# Altium PCB PCB_ALMA_TESLA.PcbDoc (part 1 of 3)
Units mm, origin at the board's own origin, x right, y up, seen from the top; angles counter-clockwise.
Board outline 100 x 100 mm, 10 copper layers (Top Layer - Signal General / Componentes SoC, GND1 - Plano Tierra Principal, Inner SIG1 - Control / I2C / UART / GPIO / SAI2, PWR1 - Alimentacion Principal (3.3V / 1.8V / VDD_ARM), Inner SIG2 - LPDDR4 / eMMC (Bus Critico), Inner SIG3 - MIPI DSI / USB / Diferenciales, PWR2 - Alimentacion Auxiliar (1.0V / VDDQ / VBUS), Inner SIG4 - Audio SAI2 / BT UART / Clocks / Low-Noise, GND2 - Plano Tierra Retorno, Bottom Layer - Signal Perifericos / GPIO / Conectores), stack 1.564 mm thick; 82 components, 94 nets, 1091 pads, 206 vias.
Unrouted connection lines stored in the file: 13.
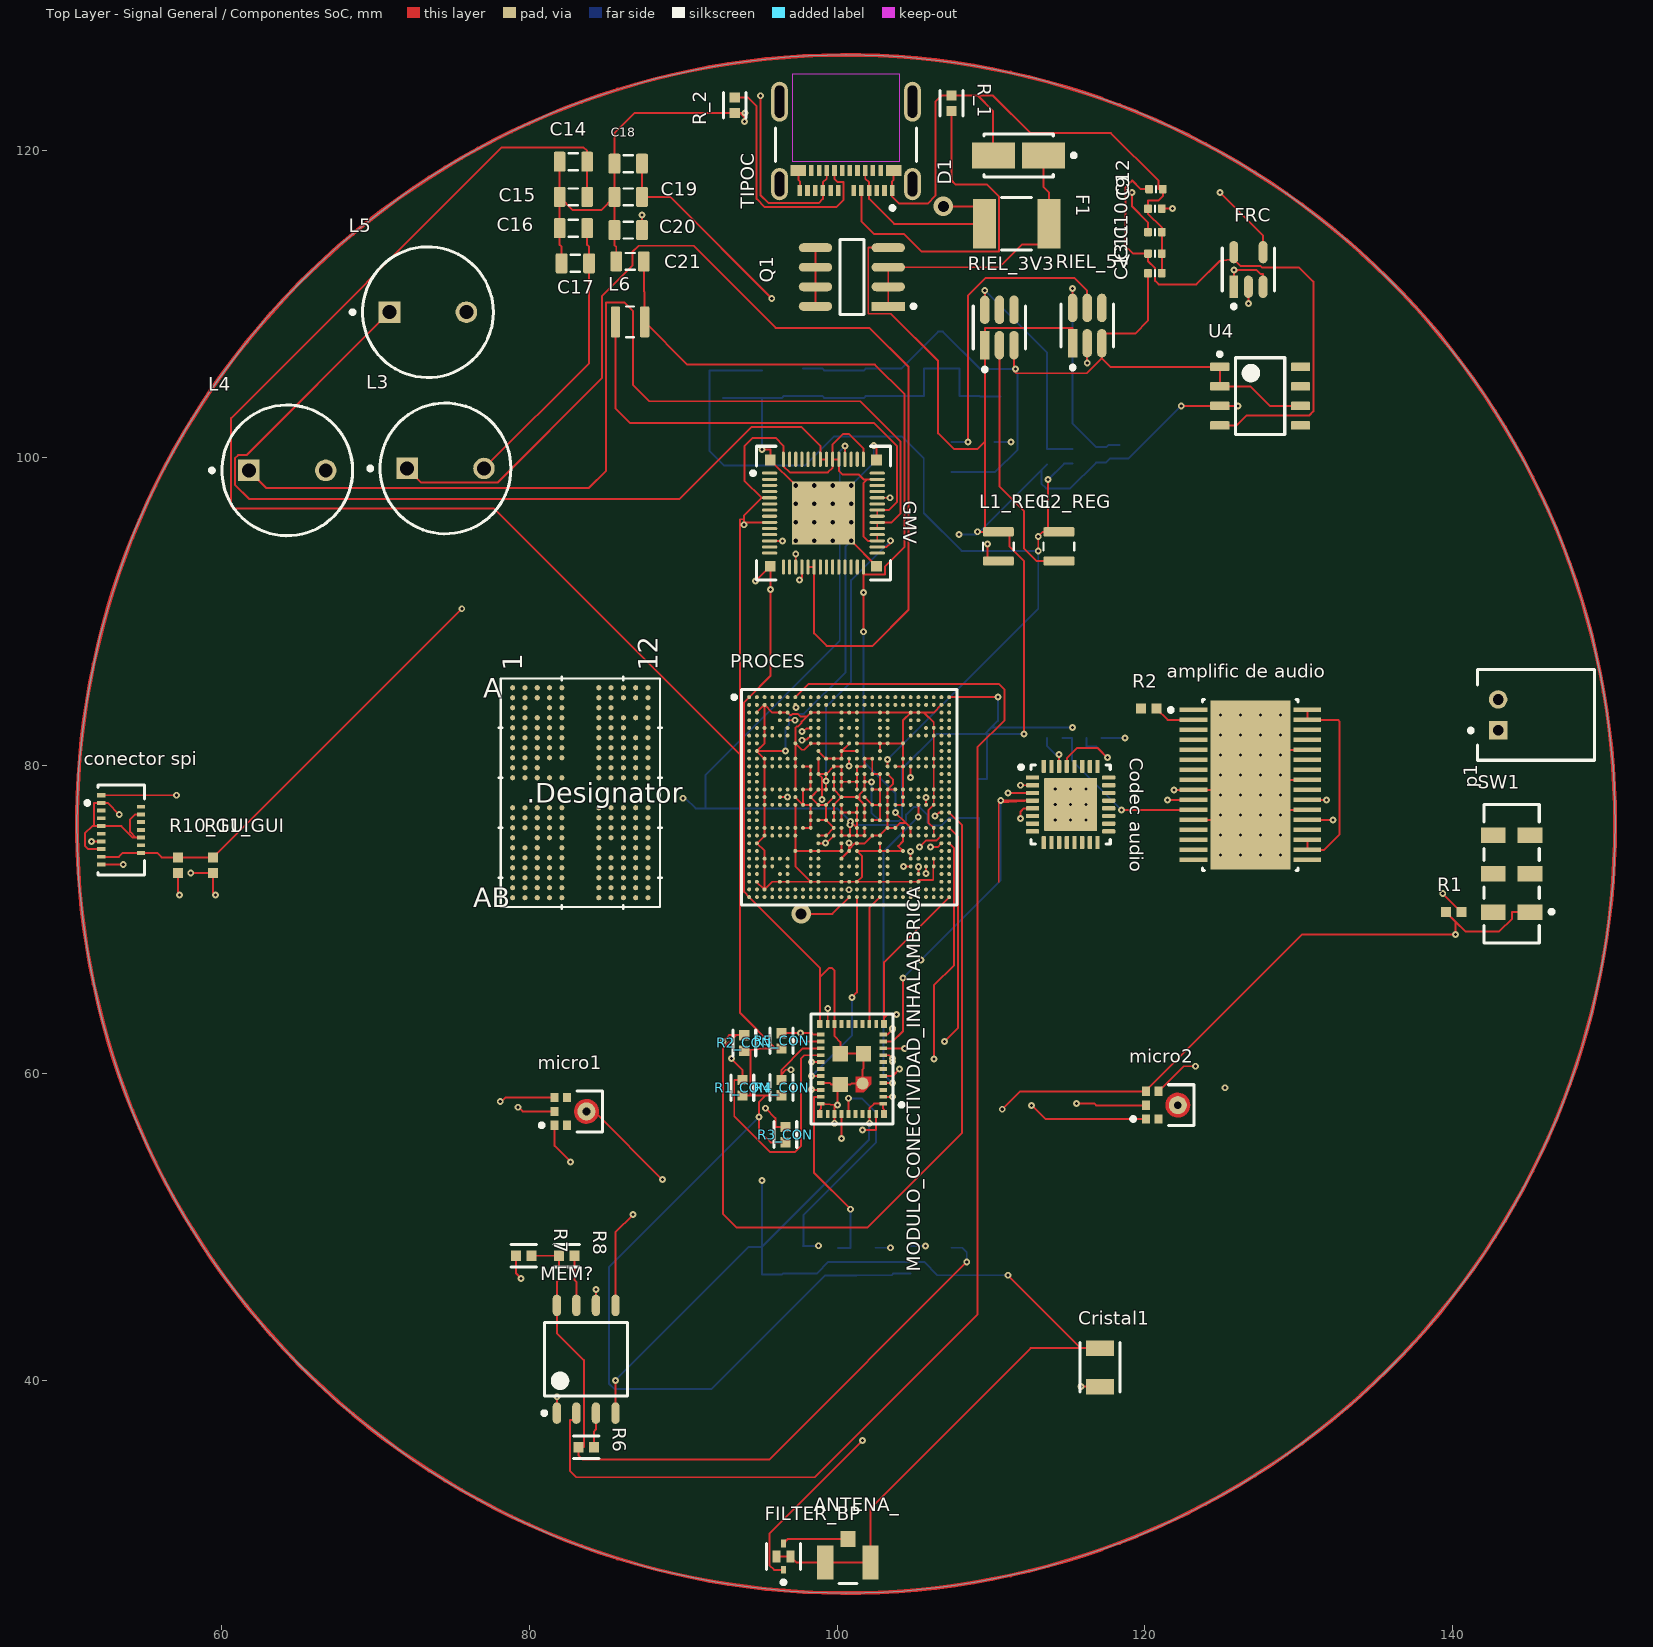
[diagram p0: Top Layer - Signal General / Componentes SoC view]
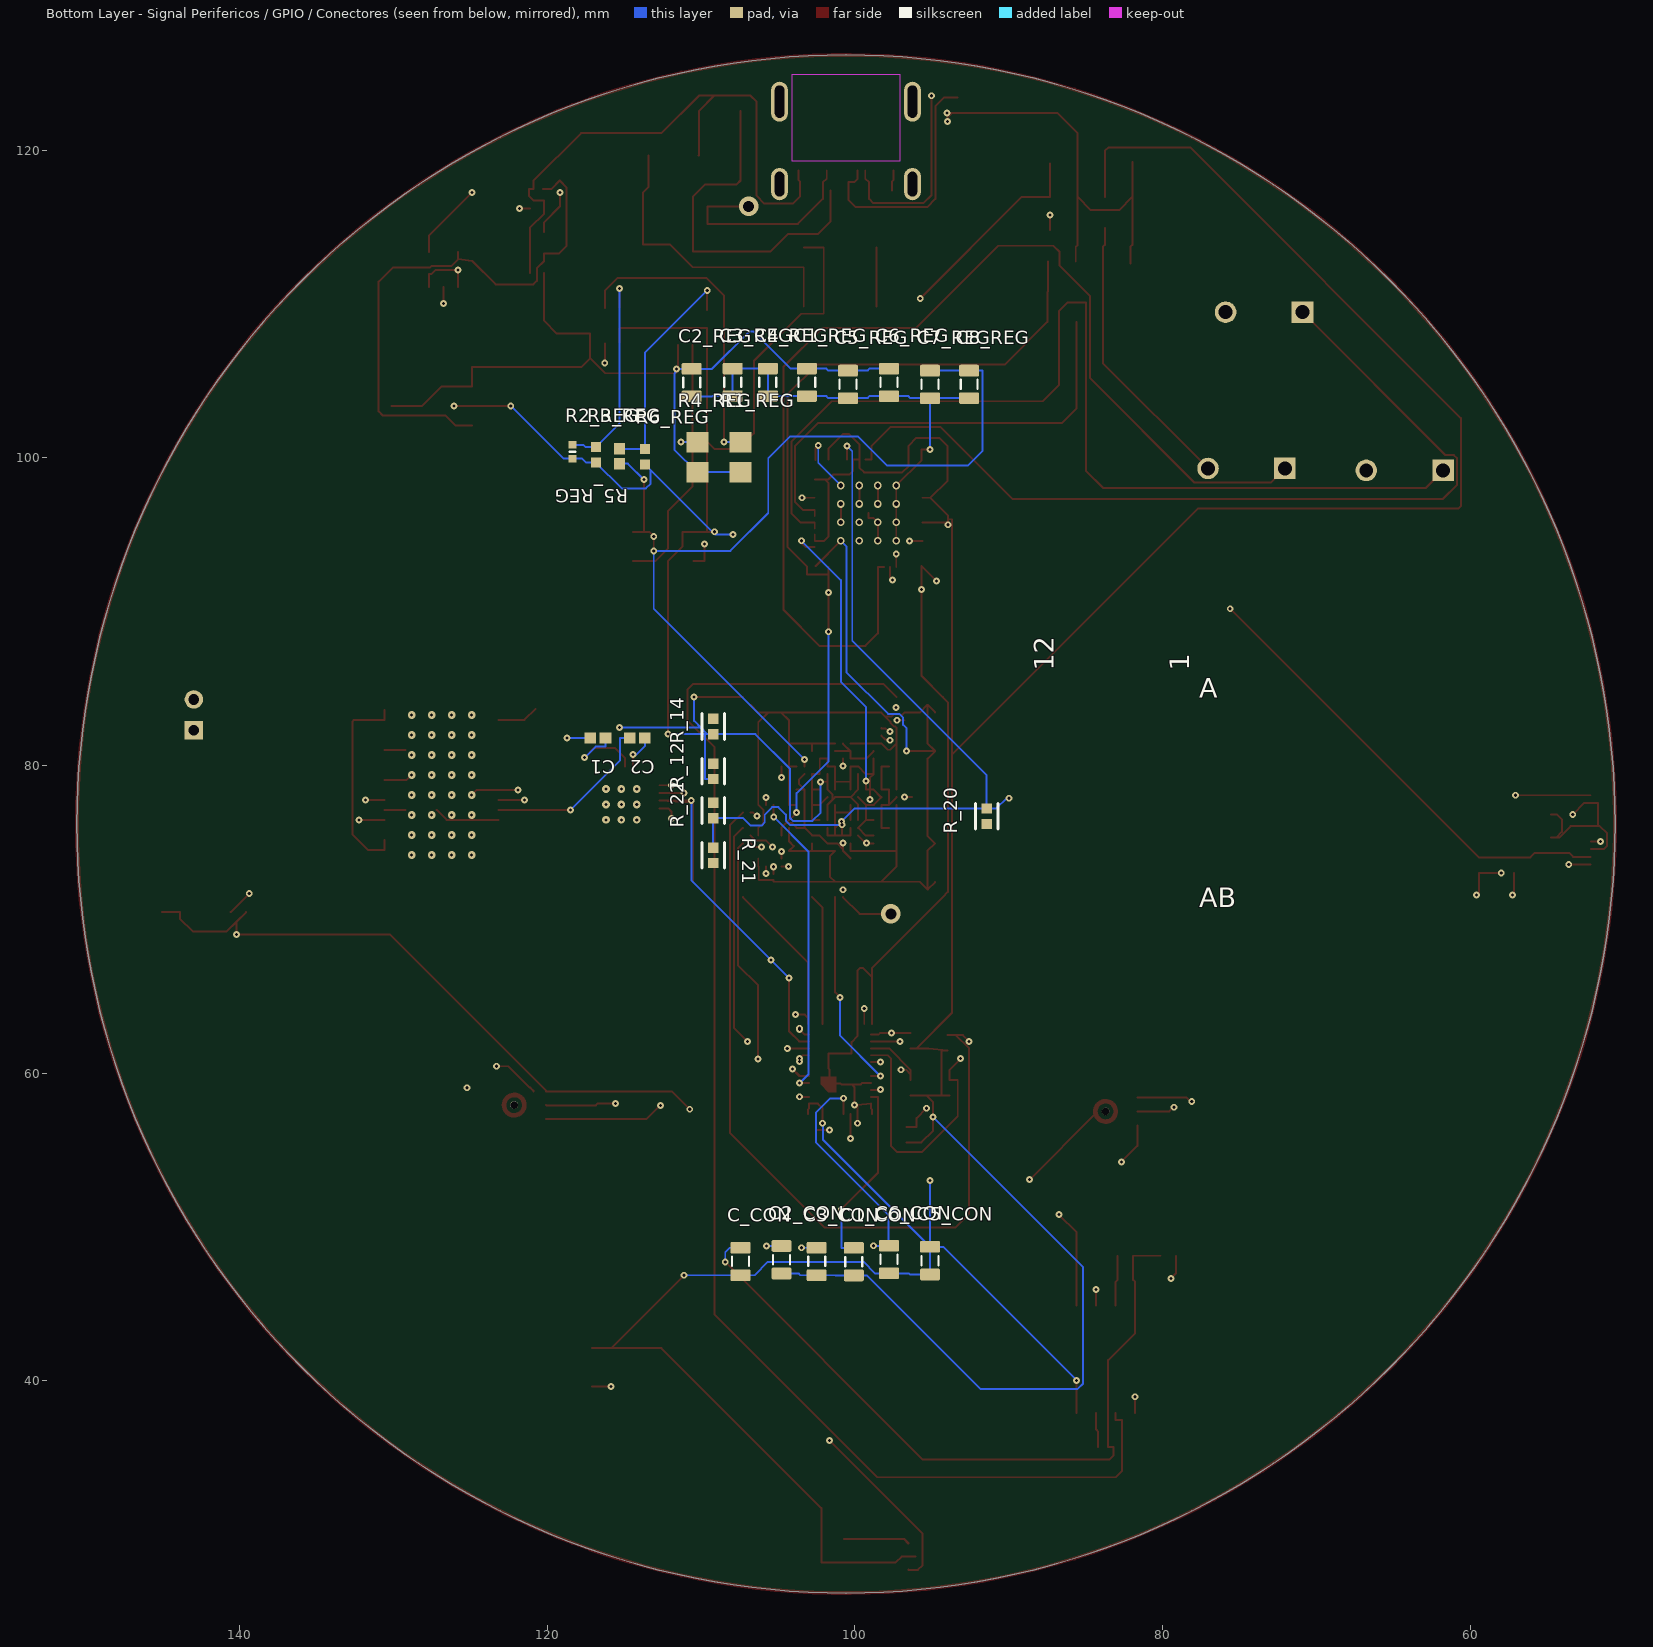
[diagram p1: Bottom Layer - Signal Perifericos / GPIO / Conectores view, seen from below]
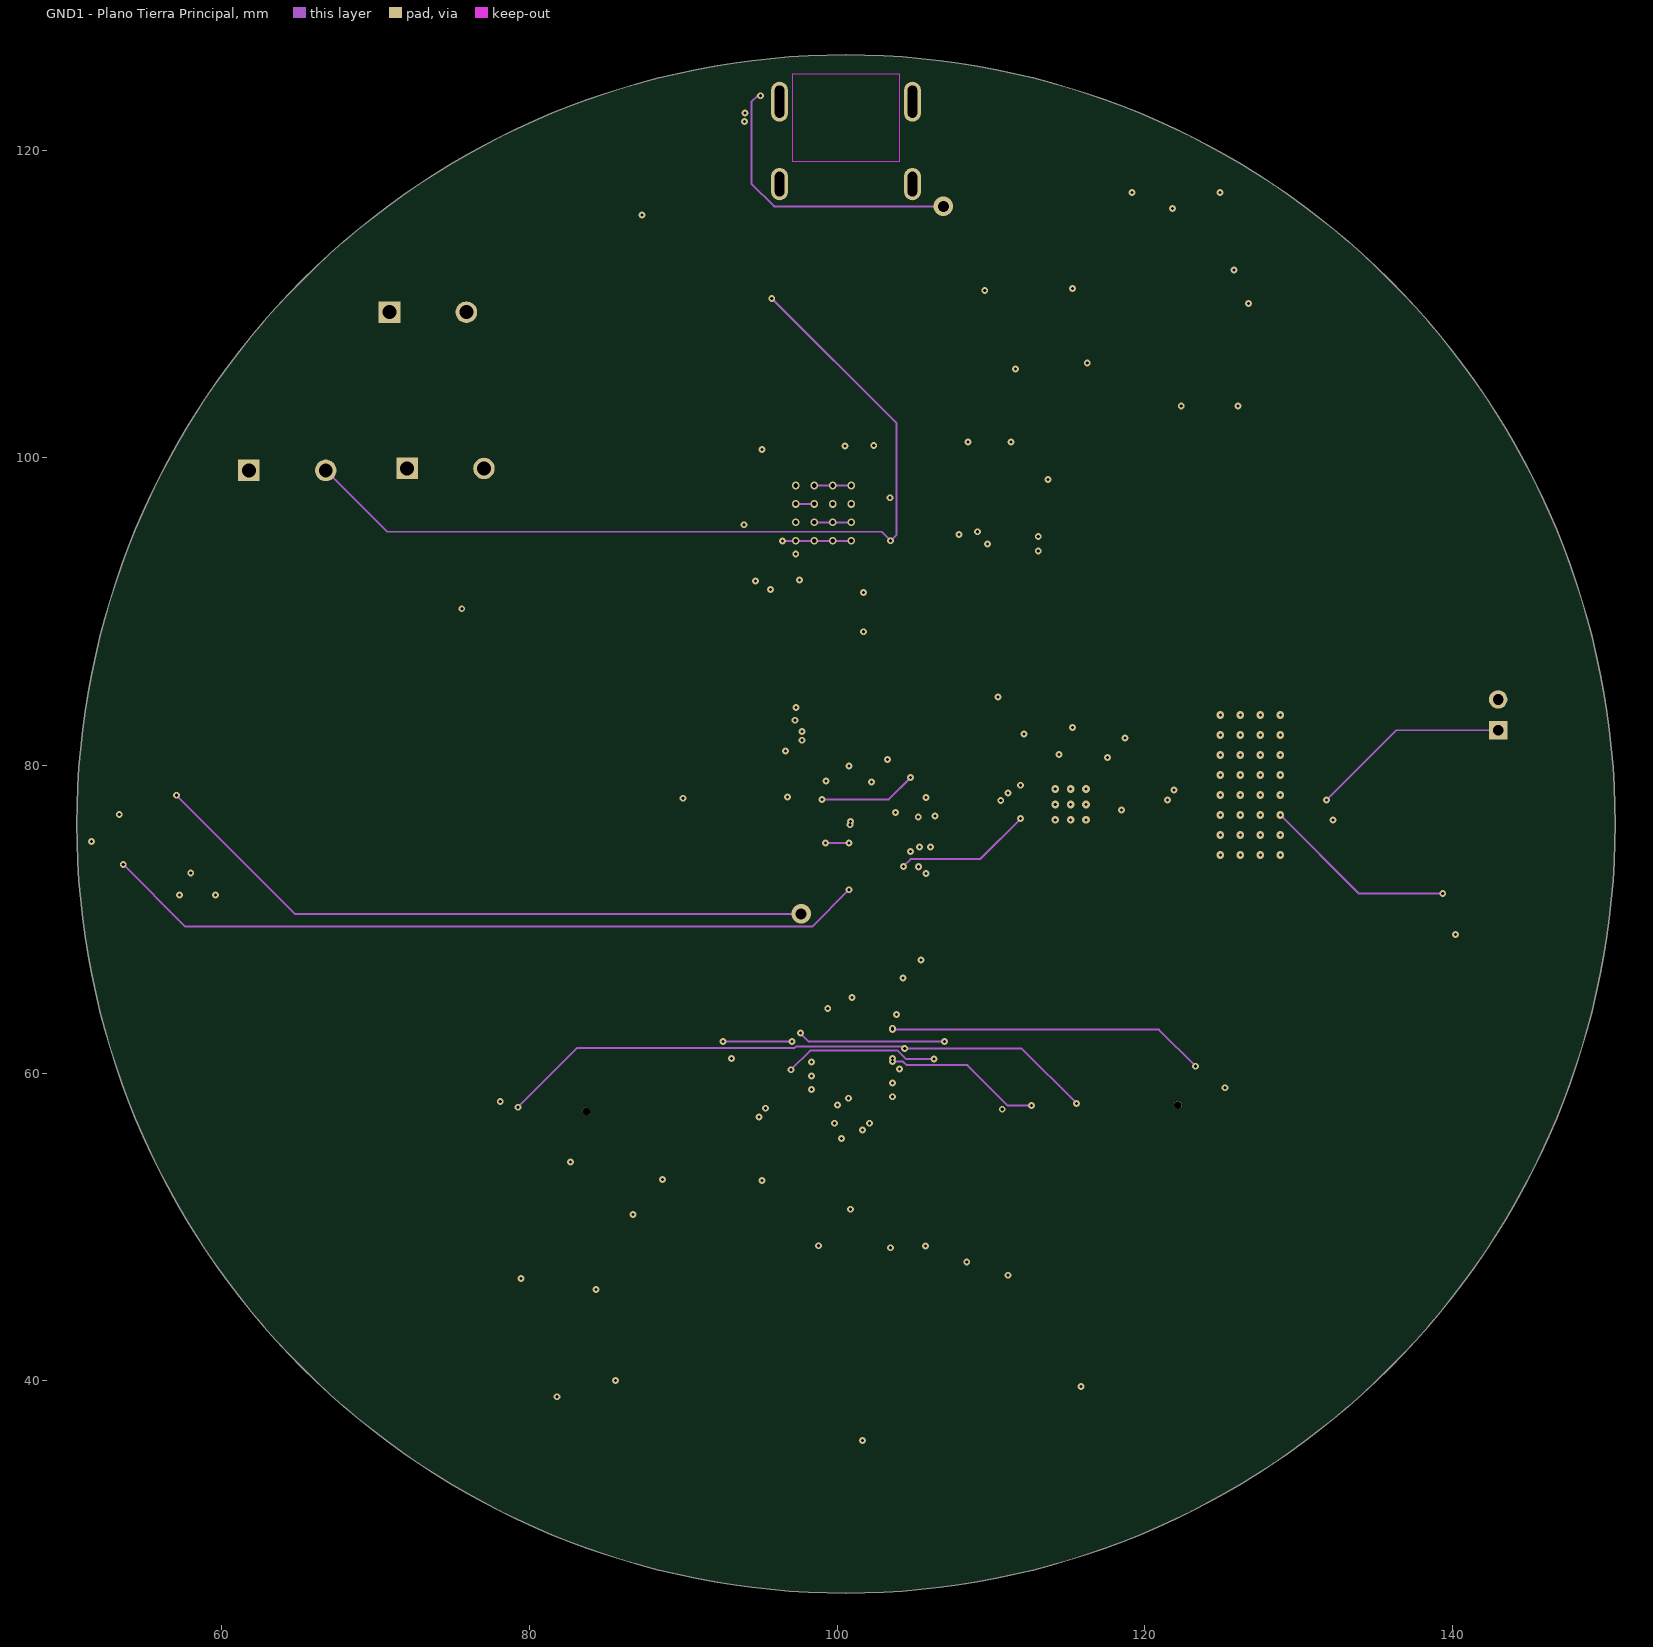
[diagram p2: GND1 - Plano Tierra Principal]
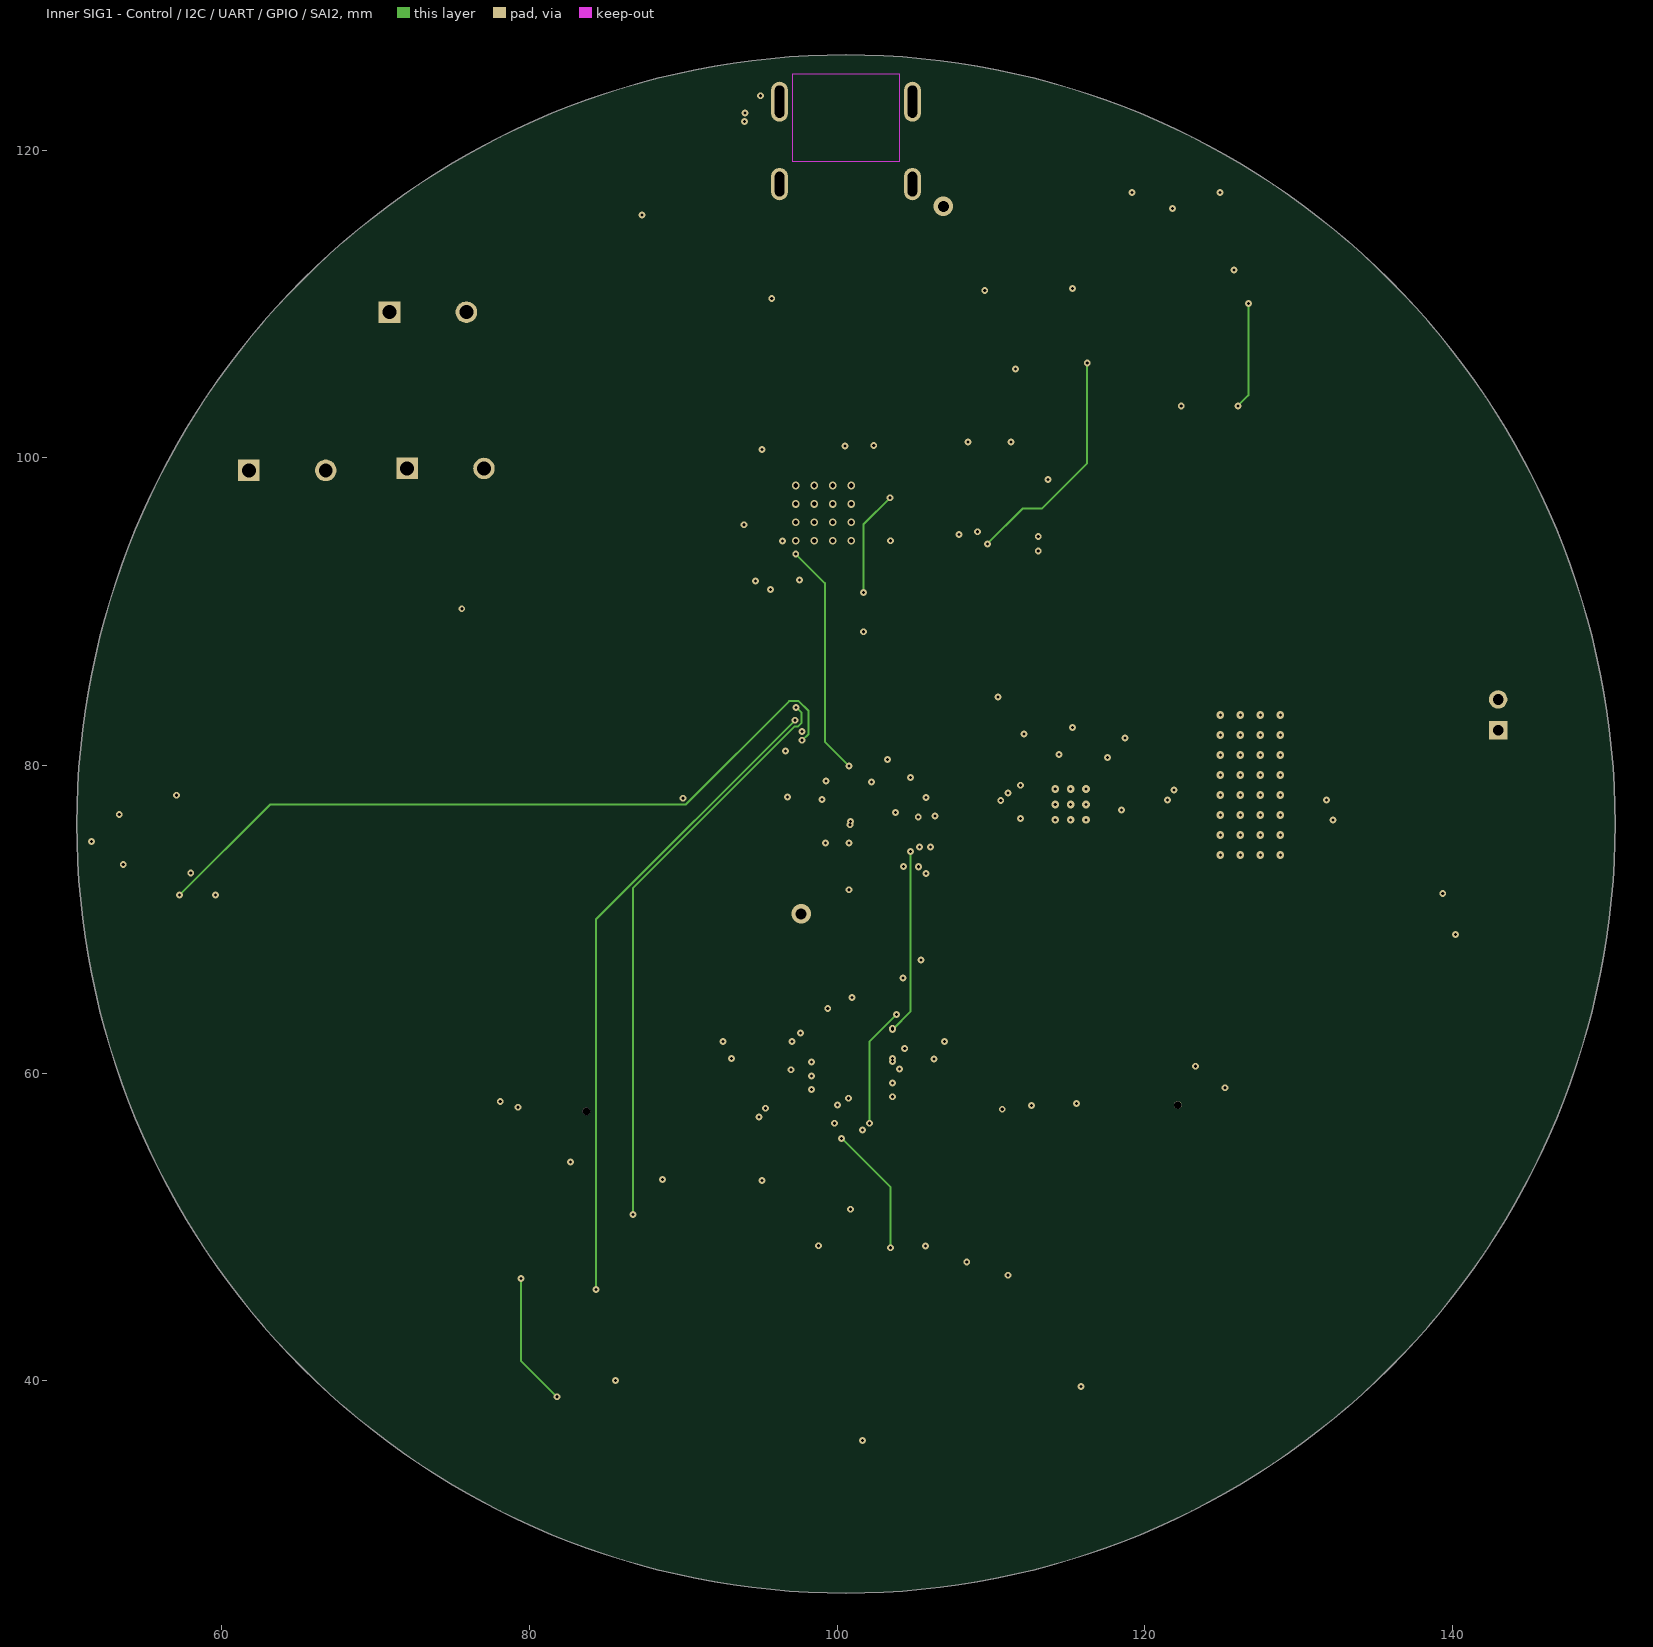
[diagram p3: Inner SIG1 - Control / I2C / UART / GPIO / SAI2]
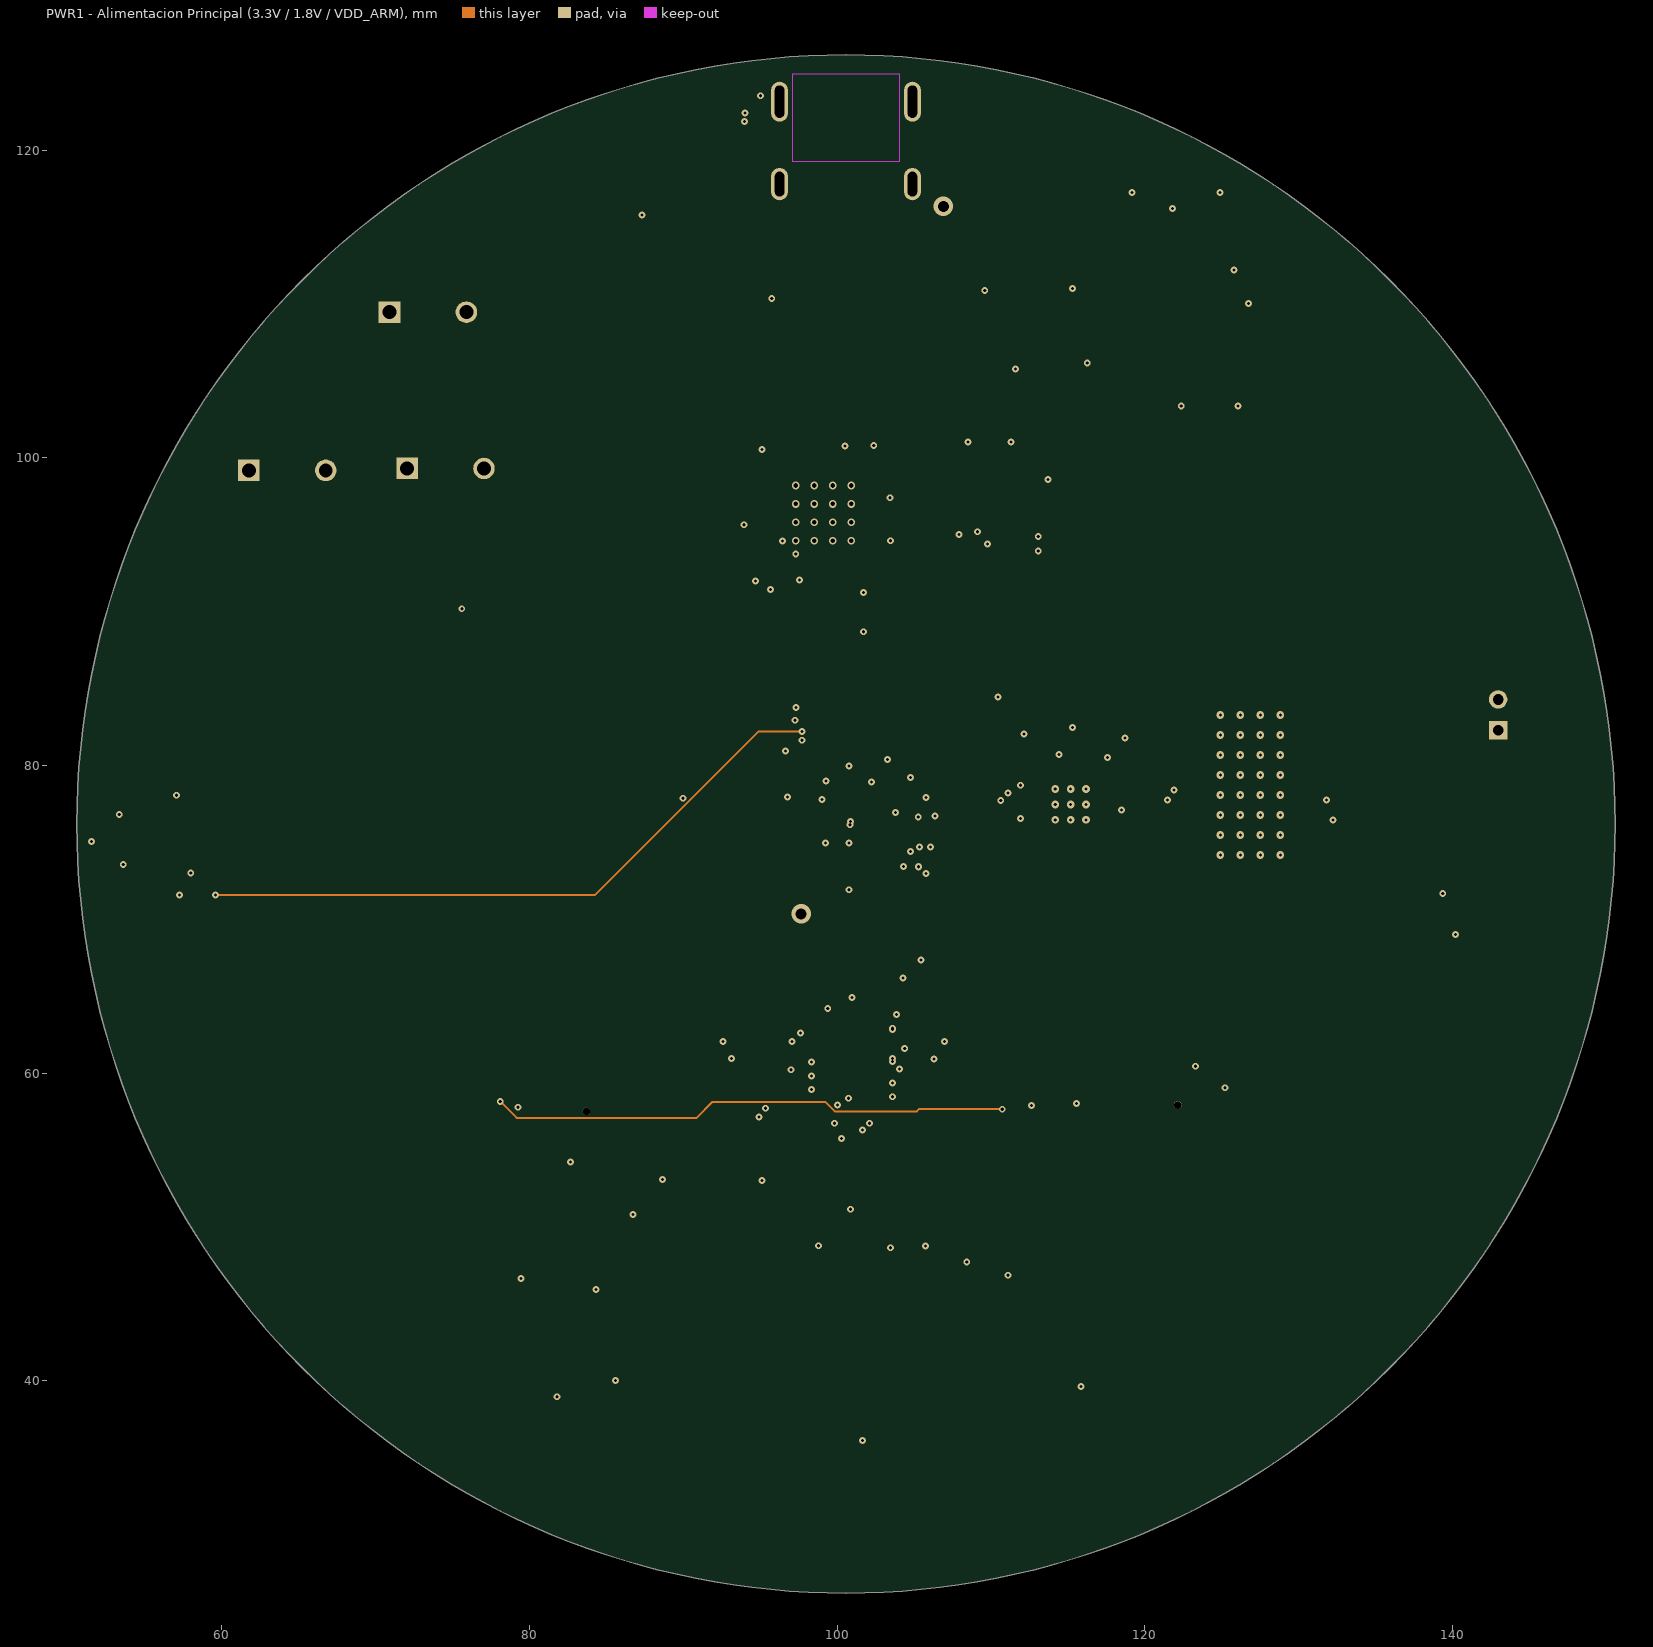
[diagram p4: PWR1 - Alimentacion Principal (3.3V / 1.8V / VDD_ARM)]
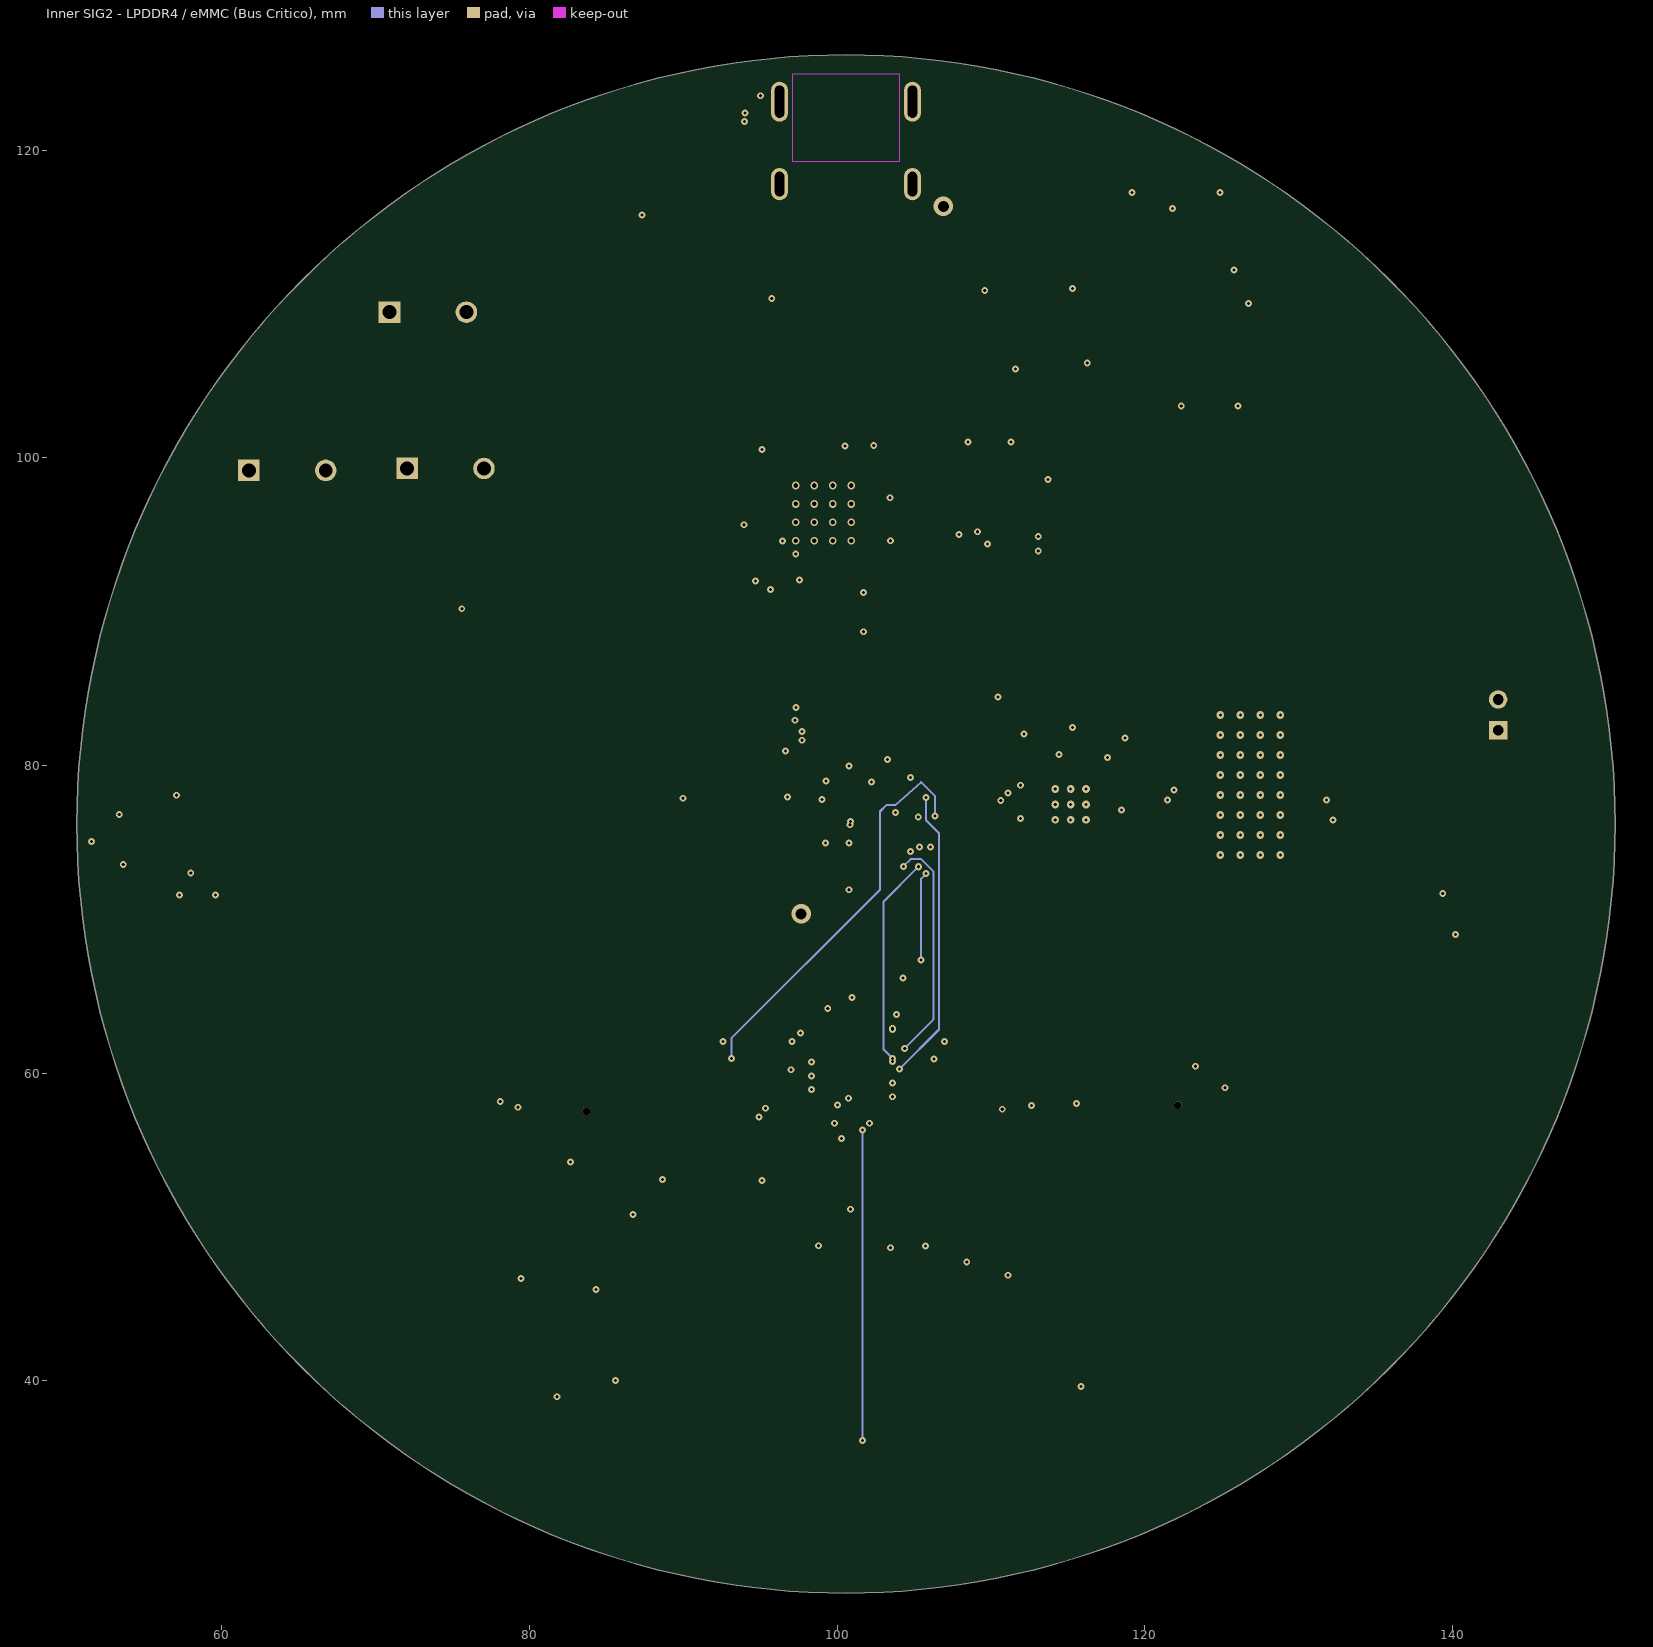
[diagram p5: Inner SIG2 - LPDDR4 / eMMC (Bus Critico)]